# Altium PCB 2309_AutomatisationPriseImageRTI.PcbDoc (part 1 of 2)
Units mil, origin at the board's own origin, x right, y up, seen from the top; angles counter-clockwise.
Board outline 6062.99 x 3543.31 mil, 2 copper layers (Top Layer, Bottom Layer), stack 62.441 mil thick; 143 components, 115 nets, 461 pads, 570 vias.
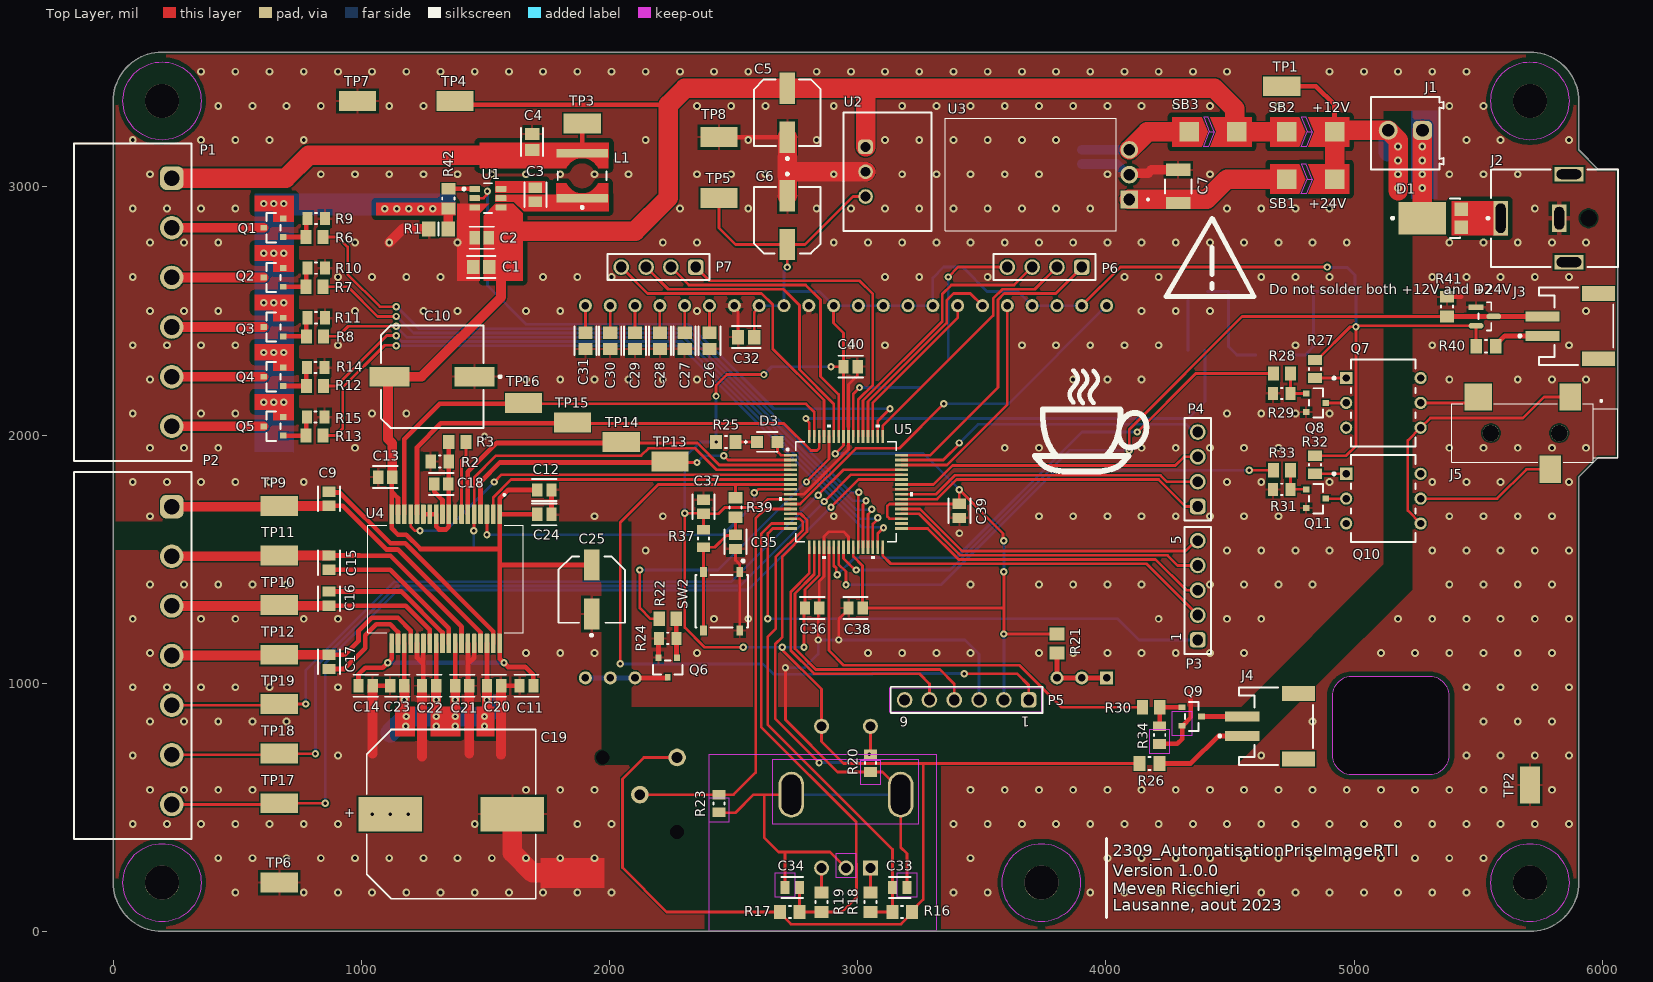
[diagram p0: Top Layer view]
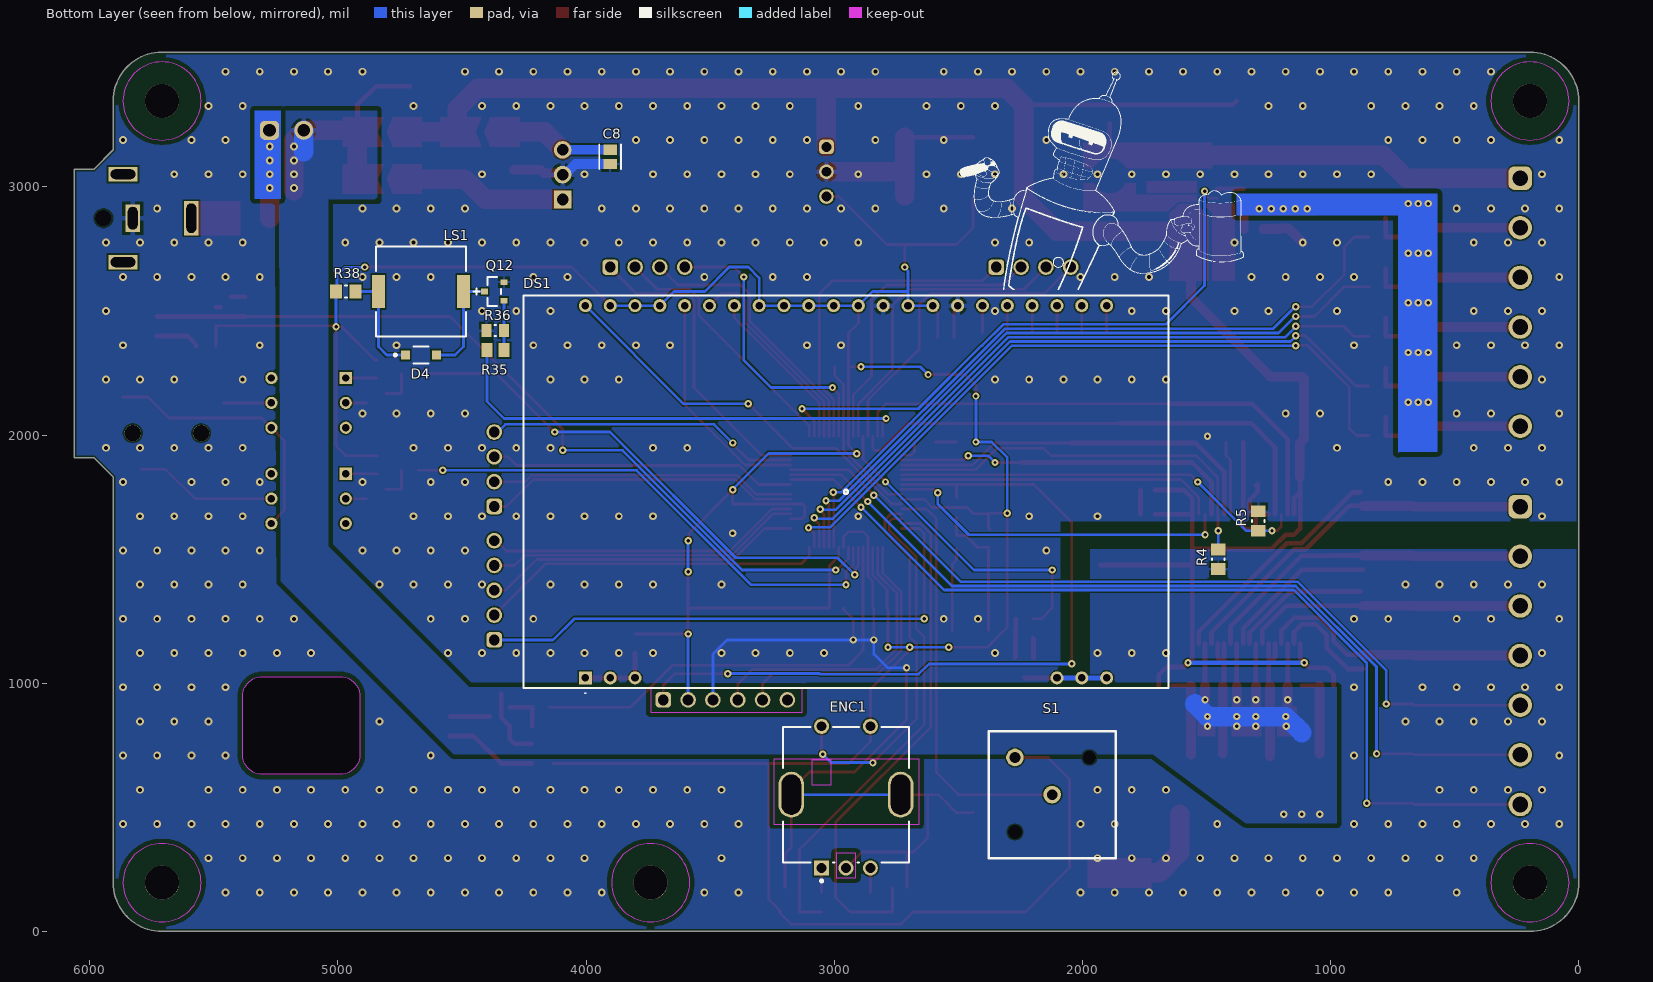
[diagram p1: Bottom Layer view, seen from below]
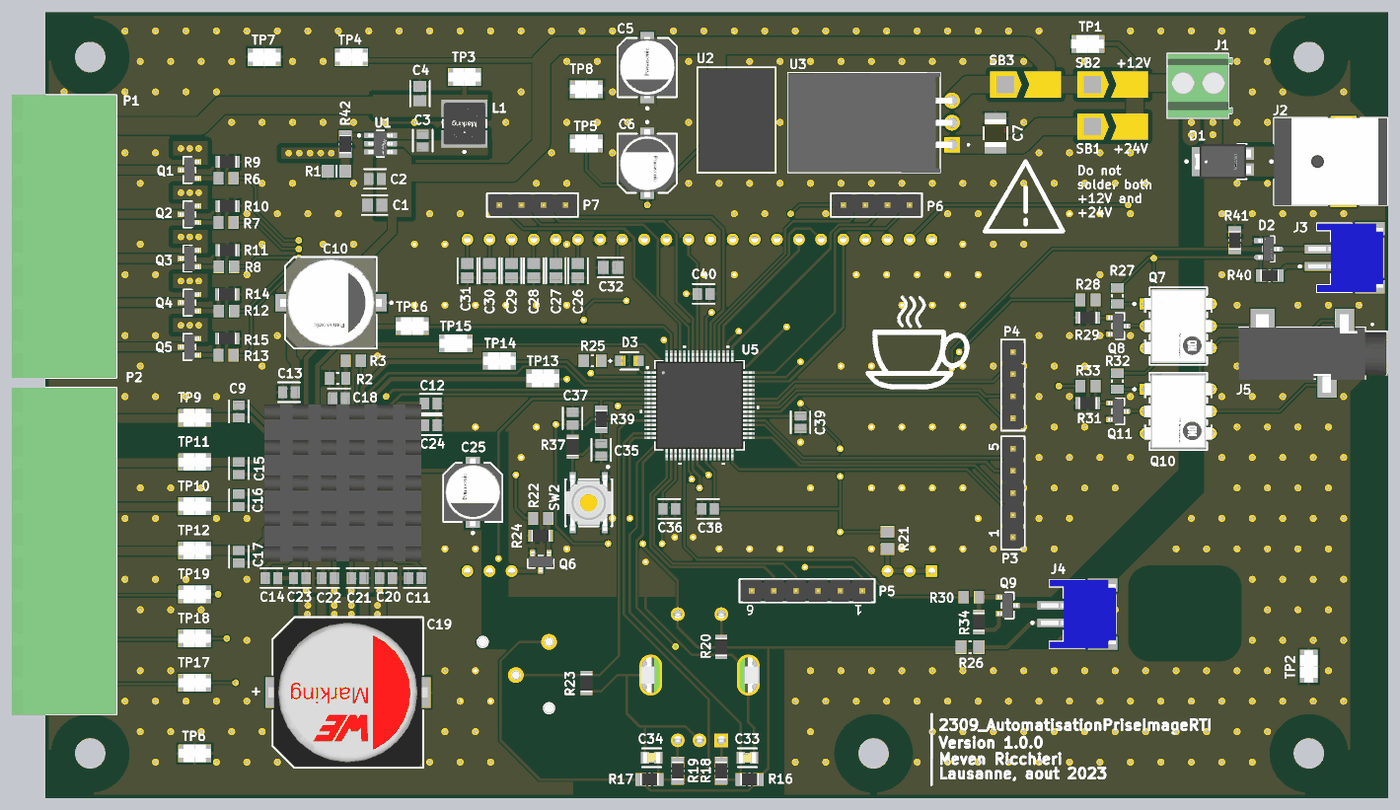
[diagram p3: 3D render of the assembled board from above, using the file's embedded part models]
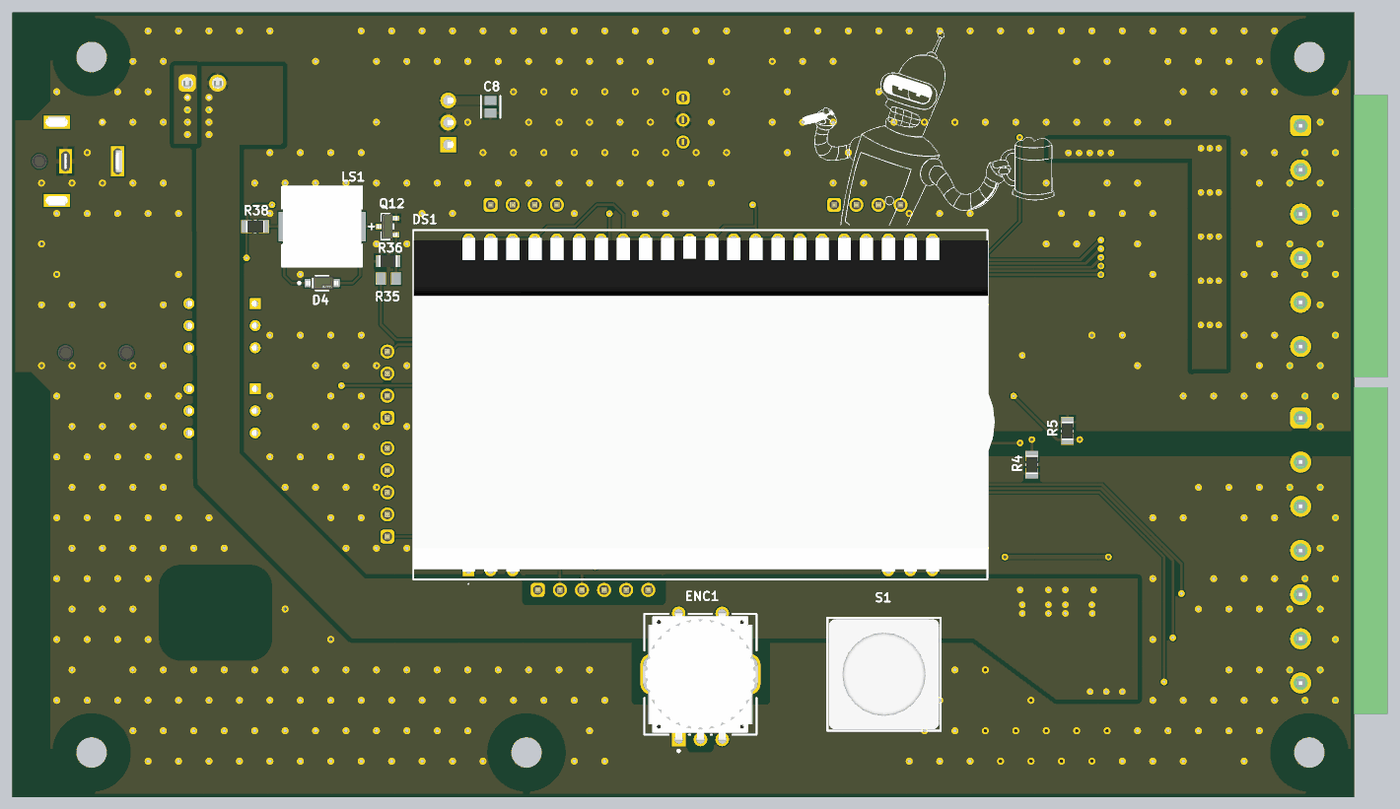
[diagram p4: 3D render of the assembled board from below, using the file's embedded part models]

## Layer stack, top to bottom
Top Solder: solder mask 0.4, Solder Resist, Dk 3.5
Top Layer: signal copper 0.7087
Dielectric1: core 61.0236, FR-4, Dk 4.8
Bottom Layer: signal copper 0.7087
Bottom Solder: solder mask 0.4, Solder Resist, Dk 3.5

## Board outline
196.85,0 cw(c196.85,196.85) 0,196.85 0,3346.46 cw(c196.85,3346.46) 196.85,3543.31 5708.66,3543.31 cw(c5708.66,3346.46) 5905.51,3346.46 5905.51,3149.61 5984.25,3070.87 6062.99,3070.87 6062.99,2992.13 6062.99,1929.13 6062.99,1909.45 5984.25,1909.45 5905.51,1830.71 5905.51,1811.02 5905.51,1771.65 5905.51,196.85 cw(c5708.66,196.85) 5708.66,0
cut-out: 4911.42,711.61 ccw(c4990.16,711.61) 4990.16,632.87 5305.12,632.87 ccw(c5305.12,711.61) 5383.86,711.61 5383.86,947.83 ccw(c5305.12,947.83) 5305.12,1026.57 4990.16,1026.57 ccw(c4990.16,947.83) 4911.42,947.83

## Design rules (kind name [scope] priority, off if disabled: settings)
BoardOutlineClearance [All] p1: gap=9.84 ignorepadtopadclearanceinfootprint=FALSE except(0: Arc-SplitContinuation Track-SplitContinuation SMDPad-SplitContinuation THPad-SplitContinuation Via-SplitContinuation Fill-SplitContinuation Poly-SplitContinuation Region-SplitContinuation Text-SplitContinuation)
Clearance Clearance-xPP-xTP-xTT [All] p1: gap=5.94 ignorepadtopadclearanceinfootprint=FALSE except(19.68: Poly-Poly Poly-Region)
ComponentClearance [All] p1: gap=9.84 collisioncheckmode=3 verticalgap=9.84 showdistances=FALSE
DiffPairsRouting [All] p1: maxlimit=9.84 minlimit=9.84 mostfreqgap=9.84 toplayer_minwidth=15 toplayer_maxwidth=15 toplayer_prefwidth=15 bottomlayer_minwidth=15 bottomlayer_maxwidth=15 bottomlayer_prefwidth=15 maxuncoupledlength=492.13
Height [All] p1: minheight=0 maxheight=984.25 prefheight=492.13
HoleSize HoleSize-PTH [IsVia] p1: absolutevalues=TRUE maxlimit=393.7 minlimit=9.84 maxpercent=80.000 minpercent=20.000
HoleToHoleClearance [All] p1: gap=13.78 allowstackedmicrovias=TRUE
MinimumAnnularRing "Minimum IAR  >0.45mm" [((ObjectKind = 'Pad') OR (ObjectKind = 'Via')) And (Layer = 'MultiLayer') And (HoleDiameter > AsMM(0.45))] p1: minimumring=6.89 // minimum inner annular ring for pads > 0.45mm finished hole size
MinimumAnnularRing "Minimum IAR <=0.45mm" [((ObjectKind = 'Pad') OR (ObjectKind = 'Via')) And (Layer = 'MultiLayer') And (HoleDiameter <= AsMM(0.45))] p2: minimumring=6.89 // minimum inner annular ring for pads <= 0.45mm finished hole size
MinimumSolderMaskSliver [All] p1: minsoldermaskwidth=3.15
PasteMaskExpansion [All] p1: expansion=-0.98
PlaneClearance PlaneClearance-IPI [All] p1: clearance=9.84
PlaneConnect [InNetClass('PowerLine')] p1: pad.planeconnectstyle=Relief pad.reliefexpansion=7.87 pad.reliefentries=4 pad.reliefconductorwidth=19.68 pad.reliefairgap=7.87 via.planeconnectstyle=Relief via.reliefexpansion=6.89 via.reliefentries=4 via.reliefconductorwidth=7.87 via.reliefairgap=7.87
PolygonConnect PolygonConnect-PowerLine [InNetClass('PowerLine')] p1: thpad.connectstyle=Relief thpad.reliefconductorwidth=19.68 thpad.reliefentries=4 thpad.polygonreliefangle="90 Angle" thpad.airgapwidth=11.81 smdpad.connectstyle=Relief smdpad.reliefconductorwidth=10 smdpad.reliefentries=4 smdpad.polygonreliefangle="90 Angle" smdpad.airgapwidth=10 via.connectstyle=Direct via.reliefconductorwidth=10 via.reliefentries=4 via.polygonreliefangle="90 Angle" via.airgapwidth=10
PolygonConnect PolygonConnect-xTW [All] p2: connectstyle=Relief reliefconductorwidth=7.87 reliefentries=4 polygonreliefangle="90 Angle" airgapwidth=7.87
RoutingCorners [All] p1: cornerstyle=45-Degree minsetback=98.43 maxsetback=98.43
RoutingVias RoutingViasES [All] p1: holewidth=13.78 width=29.53 viastyle="Through Hole" minholewidth=9.84 minwidth=24.02 maxholewidth=29.53 maxwidth=39.37 // finishet hole size <= 0.45mm
SilkToSilkClearance [All] p1: silktosilkclearance=7.87
SilkToSolderMaskClearance SilkscreenOverComponentPads [IsPad] p1: minsilkscreentomaskgap=7.87 clearancetoexposedcopper=TRUE
SolderMaskExpansion [All] p1: expansion=0 istentingtop=FALSE
UnRoutedNet [All] p1: checkbadconnections=TRUE
Width PowerLine [InNetClass('PowerLine')] p1: maxlimit=78.74 minlimit=7.87 preferedwidth=78.74
Width Width-xTW [All] p2: maxlimit=59.06 minlimit=5.91 preferedwidth=18.9
17 further rules are at their usual default settings.

## Classes and differential pairs
net class PowerLine: +12V +24V GND LED1- LED2- LED3- LED4- LED5- LED+ LED- NetC3_2 NetC8_1 NetC9_1 NetC15_1 NetC16_1 NetC17_1 NetD1_1 NetD1_2 PVDD
component class SchemaC-mcu: C35 C36 C37 C38 C39 C40 P3 P4 P5 P6 P7 R37 R39 SW2 U5
component class SchemaB-interace: C26 C27 C28 C29 C30 C31 C32 C33 C34 D2 D3 D4 DS1 ENC1 J3 J4 J5 LS1 Q6 Q7 Q8 Q9 Q10 Q11 Q12 R16 R17 R18 R19 R20 R21 R22 R23 R24 R25 R26 R27 R28 R29 R30 R31 R32 R33 R34 R35 R36 R38 R40 R41 S1
component class SchemaA-puissance: C1 C2 C3 C4 C5 C6 C7 C8 C9 C10 C11 C12 C13 C14 C15 C16 C17 C18 C19 C20 C21 C22 C23 C24 C25 D1 J1 J2 L1 P1 P2 Q1 Q2 Q3 Q4 Q5 R1 R2 R3 R4 R5 R6 R7 R8 R9 R10 R11 R12 R13 R14 R15 R42 SB1 SB2 SB3 TP1 TP2 TP3 TP4 TP5 TP6 TP7 TP8 TP9 TP10 TP11 TP12 TP13 TP14 TP15 TP16 TP17 TP18 TP19 U1 U2 U3 U4

## Components (designator, comment, footprint, x,y, rotation, side; value= is the part's Value field where it differs from the comment)
C1 "CL21A106KOQNNNE" FP-CL21-IPC_B 1483.24,2677.17 r180 top
C2 "CL21B104KBCNNNC" FP-CL21-IPC_C 1485.27,2795.28 r180 top
C3 "CL21B104KBCNNNC" FP-CL21-IPC_C 1700.79,2968.5 r270 top
C4 "CL21A106KOQNNNE" FP-CL21-IPC_B 1688.28,3181.09 r90 top
C5 "EEE-1VA101XP" FP-SD8-MFG 2716.54,3299.21 r90 top
C6 "EEE-FK0J221P" FP-FKD-MFG 2716.54,2866.14 r270 top
C7 "GMK325BJ226MM-P" FP-1210-L_3_2_0_3-W_2_5_0-MFG 4291.34,3001.97 r90 top
C8 "CL21A226MAYNNNE" FP-CL21-IPC_C 3902.76,3121.03 r270 bottom value=22uF
C9 "CL21B104KBCNNNC" FP-CL21-IPC_C 869.09,1743.53 r90 top
C10 "EEE-1VA331P" FP-SG-MFG 1285.43,2235.43 r180 top
C11 "CL21B105KBFNNNG" FP-CL21-IPC_C 1665.35,990.16 r180 top
C12 "CL21B105KBFNNNG" FP-CL21-IPC_C 1737.24,1779.15 r0 top
C13 "CL21B105KBFNNNG" FP-CL21-IPC_C 1095.99,1830.71 r180 top
C14 "CL21B105KBFNNNG" FP-CL21-IPC_C 1016.76,990.16 r0 top
C15 "CL21B104KBCNNNC" FP-CL21-IPC_C 869.09,1486.39 r270 top
C16 "CL21B104KBCNNNC" FP-CL21-IPC_C 869.09,1341.51 r90 top
C17 "CL21B104KBCNNNC" FP-CL21-IPC_C 869.09,1086.39 r270 top
C18 "CL21B104KBCNNNC" FP-CL21-IPC_C 1321.82,1803.15 r0 top
C19 "865080663020" WCAP-ASLI_D16H17 1362.14,472.44 r180 top
C20 "CL21B104KBCNNNC" FP-CL21-IPC_C 1534.48,990.16 r0 top
C21 "CL21B104KBCNNNC" FP-CL21-IPC_C 1406.53,990.16 r0 top
C22 "CL21B104KBCNNNC" FP-CL21-IPC_C 1272.61,990.16 r180 top
C23 "CL21B104KBCNNNC" FP-CL21-IPC_C 1144.65,990.16 r180 top
C24 "CL21B105KBFNNNG" FP-CL21-IPC_C 1737.24,1681.1 r0 top
C25 "EEEFP1V470AP" FP-FPD-MFG 1927.57,1377.89 r90 top
C26 "CL21F105ZAFNNNF" FP-CL21-IPC_B 2402.76,2379.97 r270 top
C27 "CL21F105ZAFNNNF" FP-CL21-IPC_B 2302.76,2379.97 r270 top
C28 "CL21F105ZAFNNNF" FP-CL21-IPC_B 2202.76,2379.97 r270 top
C29 "CL21F105ZAFNNNF" FP-CL21-IPC_B 2102.76,2379.97 r270 top
C30 "CL21F105ZAFNNNF" FP-CL21-IPC_B 2002.76,2379.97 r270 top
C31 "CL21F105ZAFNNNF" FP-CL21-IPC_B 1902.76,2379.97 r270 top
C32 "CL21F105ZAFNNNF" FP-CL21-IPC_B 2550.17,2394.6 r180 top
C33 "C0805C103J5RAC7210" FP-C0805C-DN-MFG 3169.29,177.17 r0 top value=0.01uF
C34 "C0805C103J5RAC7210" FP-C0805C-DN-MFG 2736.22,177.17 r180 top value=0.01uF
C35 "CL21B104KBCNNNC" FP-CL21-IPC_C 2507.87,1569.85 r270 top
C36 "CL21B104KBCNNNC" FP-CL21-IPC_C 2815.91,1303.15 r0 top
C37 "CL21B104KBCNNNC" FP-CL21-IPC_C 2378.94,1711.63 r90 top
C38 "CL21B104KBCNNNC" FP-CL21-IPC_C 2991.11,1303.15 r180 top
C39 "CL21B104KBCNNNC" FP-CL21-IPC_C 3409.45,1694.73 r270 top
C40 "CL21B104KBCNNNC" FP-CL21-IPC_C 2971.49,2275.59 r0 top
D1 "PDS1040L-13" FP-PowerDI5-MFG 5319.69,2874.02 r180 top
D2 "BAT54SLT1G" FP-318-08-IPC_B 5527.16,2478.35 r0 top
D3 "LH R974-LP-1" FP-LH_R974-MFG 2635.47,1972.44 r0 top
D4 "1N4148W-13-F" FP-SOD123-MFG 4665.35,2322.83 r180 bottom value=2pF
DS1 "EA DOGM204W-A" "EA DOGM204" 2952.76,1771.65 r180 bottom locked
ENC1 "PEC12R-4220F-S0024" FP-PEC12R-4120F-S0012-MFG 2952.76,551.18 r180 bottom locked
J1 "691214110002" 691214110002 5206.69,3216.54 r180 top
J2 "PJ-063AH" CUI-PJ-063AH_V 5826.77,2874.02 r0 top
J3 "S2B-PH-SM4-TB(LF)(SN)" "JST- S2B-PH-SM4-TB(LF)(SN)-2_V" 5894.68,2438.98 r90 top
J4 "S2B-PH-SM4-TB(LF)(SN)" "JST- S2B-PH-SM4-TB(LF)(SN)-2_V" 4685.04,826.77 r90 top
J5 "SJ-3523-SMT-TR" CUI_SJ-3523-SMT 5826.77,2007.87 r180 top
L1 "7440430012" WE-TPC_4828 1889.76,3045.36 r180 top
LS1 "PKMCS0909E4000-R1" FP-PKMCS-MFG 4665.35,2578.74 r180 bottom
P1 "691313510006" 691313510006 78.74,2535.43 r270 top
P2 "691313510007" 691313510007 78.74,1111.81 r270 top
P3 "61300511121" 61300511121 4370.08,1374.8 r90 top
P4 "61300411121" 61300411121 4370.08,1862.6 r90 top
P5 "61300611121" 61300611121 3438.98,933.07 r180 top
P6 "61300411121" 61300411121 3752.76,2677.17 r180 top
P7 "61300411121" 61300411121 2197.24,2677.17 r180 top
Q1 "PMV20ENR" FP-SOT23-MFG 645.67,2835.43 r180 top
Q2 "PMV20ENR" FP-SOT23-MFG 645.67,2635.43 r180 top
Q3 "PMV20ENR" FP-SOT23-MFG 645.67,2435.43 r180 top
Q4 "PMV20ENR" FP-SOT23-MFG 645.67,2235.43 r180 top
Q5 "PMV20ENR" FP-SOT23-MFG 645.67,2035.43 r180 top
Q6 "PMV20ENR" FP-SOT23-MFG 2234.65,1063.81 r270 top
Q7 "4N25M" FP-646BX-MFG 5118.11,2129.92 r0 top
Q8 "PMV20ENR" FP-SOT23-MFG 4846.46,2129.92 r0 top
Q9 "PMV20ENR" FP-SOT23-MFG 4346.46,866.14 r0 top
Q10 "4N25M" FP-646BX-MFG 5118.11,1744.09 r0 top
Q11 "PMV20ENR" FP-SOT23-MFG 4846.46,1744.09 r0 top
Q12 "PMV20ENR" FP-SOT23-MFG 4370.08,2578.74 r0 bottom
R1 "ERJ-L06UF66MV" 6-0805_M 1311.02,2830.71 r0 top value=66mR
R2 "RK73B2ATTD1R0J" RESC2013X60X30NL20T20 1315.94,1893.7 r0 top value=1R
R3 "ERJ6ENF5602V" RESC2013X70X40NL20T20 1386.81,1972.44 r180 top value=56k
R4 "RC0805JR-0710KL" RESC2013X60X35ML10T20 1452.82,1500 r90 bottom
R5 "RC0805JR-0710KL" RESC2013X60X35ML10T20 1291.34,1653.54 r270 bottom
R6 "ERJ6ENF2200V" RESC2013X70X40NL20T20 811.02,2798.03 r180 top value=220R
R7 "ERJ6ENF2200V" RESC2013X70X40NL20T20 811.02,2598.03 r180 top value=220R
R8 "ERJ6ENF2200V" RESC2013X70X40NL20T20 812.99,2398.03 r180 top value=220R
R9 "RC0805FR-0747KL" RESC2013X60X35NL10T20 817.91,2872.83 r180 top value=47k
R10 "RC0805FR-0747KL" RESC2013X60X35NL10T20 817.91,2672.83 r180 top value=47k
R11 "RC0805FR-0747KL" RESC2013X60X35NL10T20 817.91,2472.83 r180 top value=47k
R12 "ERJ6ENF2200V" RESC2013X70X40NL20T20 812.99,2198.03 r180 top value=220R
R13 "ERJ6ENF2200V" RESC2013X70X40NL20T20 811.02,1998.03 r180 top value=220R
R14 "RC0805FR-0747KL" RESC2013X60X35NL10T20 815.94,2272.83 r180 top value=47k
R15 "RC0805FR-0747KL" RESC2013X60X35NL10T20 815.94,2072.83 r180 top value=47k
R16 "RC0805JR-0710KL" RESC2013X60X35ML10T20 3179.13,78.74 r180 top
R17 "RC0805JR-0710KL" RESC2013X60X35ML10T20 2726.38,78.74 r0 top
R18 "RC0805JR-0710KL" RESC2013X60X35ML10T20 3051.18,118.11 r90 top
R19 "RC0805JR-0710KL" RESC2013X60X35ML10T20 2854.33,118.11 r90 top
R20 "RC0805FR-0747KL" RESC2013X60X35NL10T20 3051.18,678.23 r90 top value=47k
R21 "ERJ6ENF18R0V" RESC2013X70X40ML20T20 3802.76,1160.43 r270 top value=18R
R22 "ERJ6ENF2200V" RESC2013X70X40NL20T20 2234.65,1259.84 r0 top value=220R
R23 "RC0805FR-0747KL" RESC2013X60X35NL10T20 2440.94,515.75 r90 top value=47k
R24 "RC0805FR-0747KL" RESC2013X60X35NL10T20 2234.65,1181.1 r0 top value=47k
R25 "RC0805JR-0775RL" RESC2013X60X35ML10T20 2468.5,1972.44 r180 top value=150R
R26 "RK73B2ATTD200J" RESC2013X60X30ML20T20 4176.18,677.17 r180 top value=20R
R27 "CRCW0805210RFKEA" RESC2013X50X30NL20T20 4842.52,2266.34 r270 top value=220R
R28 "ERJ6ENF2200V" RESC2013X70X40NL20T20 4709.65,2248.03 r0 top value=220R
R29 "RC0805FR-0747KL" RESC2013X60X35NL10T20 4708.66,2167.32 r0 top value=47k
R30 "ERJ6ENF2200V" RESC2013X70X40NL20T20 4182.09,903.54 r0 top value=220R
R31 "RC0805FR-0747KL" RESC2013X60X35NL10T20 4708.66,1781.5 r0 top value=47k
R32 "CRCW0805210RFKEA" RESC2013X50X30NL20T20 4842.52,1880.51 r270 top value=220R
R33 "ERJ6ENF2200V" RESC2013X70X40NL20T20 4709.65,1858.27 r0 top value=220R
R34 "RC0805FR-0747KL" RESC2013X60X35NL10T20 4216.54,791.34 r90 top value=47k
R35 "ERJ6ENF2200V" RESC2013X70X40NL20T20 4365.16,2342.52 r180 bottom value=220R
R36 "RC0805FR-0747KL" RESC2013X60X35NL10T20 4366.14,2421.26 r180 bottom value=47k
R37 "RC0805FR-0747KL" RESC2013X60X35NL10T20 2378.94,1583.71 r90 top value=47k
R38 "RC0805JR-070RL" RESC2013X60X35ML10T20 4968.11,2578.74 r0 bottom
R39 "RC0805FR-071KL" RESC2013X60X35ML10T20 2507.87,1708.66 r90 top
R40 "RC0805FR-071KL" RESC2013X60X35ML10T20 5531.5,2358.27 r0 top
R41 "RC0805JR-0710KL" RESC2013X60X35ML10T20 5374.02,2517.72 r90 top
R42 "RC0805JR-070RL" RESC2013X60X35ML10T20 1350.39,2952.84 r270 top
S1 "1241.1082.71" "Tact-sw 1241.1082" 2122.05,551.18 r180 bottom locked
SB1 "Solder bridge 3mm close" "Solder bridge" 4921.26,3031.5 r180 top
SB2 "Solder bridge 3mm open" "Solder bridge" 4921.26,3222.05 r180 top
SB3 "Solder bridge 3mm close" "Solder bridge" 4527.56,3222.05 r180 top
SW2 "PTS526SK15SMTR2LFS" FP-PTS526SK15SMTR2LFS-MFG 2451.77,1330.71 r270 top
TP1 "5019" KSTN-5019_V 4708.66,3405.51 r0 top
TP2 "5019" KSTN-5019_V 5708.66,590.55 r90 top
TP3 "5019" KSTN-5019_V 1889.76,3255.87 r0 top
TP4 "5019" KSTN-5019_V 1377.95,3346.46 r0 top
TP5 "5019" KSTN-5019_V 2440.94,2955.87 r0 top
TP6 "5019" KSTN-5019_V 669.29,196.85 r0 top
TP7 "5019" KSTN-5019_V 984.25,3346.46 r0 top
TP8 "5019" KSTN-5019_V 2440.94,3200.79 r0 top
TP9 "5019" KSTN-5019_V 669.29,1714.96 r0 top
TP10 "5019" KSTN-5019_V 669.29,1314.96 r180 top
TP11 "5019" KSTN-5019_V 669.29,1514.96 r180 top
TP12 "5019" KSTN-5019_V 669.29,1114.96 r180 top
TP13 "5019" KSTN-5019_V 2244.09,1893.7 r180 top
TP14 "5019" KSTN-5019_V 2047.24,1972.44 r180 top
TP15 "5019" KSTN-5019_V 1850.39,2051.18 r180 top
TP16 "5019" KSTN-5019_V 1653.54,2129.92 r180 top
TP17 "5019" KSTN-5019_V 669.29,516.54 r180 top
TP18 "5019" KSTN-5019_V 669.29,716.54 r180 top
TP19 "5019" KSTN-5019_V 669.29,916.54 r180 top
U1 "TPS92200D1DDCR" FP-DDC0006A-MFG 1509.84,2954.81 r0 top
U2 "173950378" WPME-FDSM_SIP-3_L11.6W8.5H10.5 3120.08,3061.42 r270 top
U3 "P7812-2000R-S" P7812-2000R-S 3696.85,3049.61 r180 top
U4 "DRV8432DKD" "SOP65P1420X360-36N - duplicate" 1339.57,1420.87 r270 top locked
U5 "PIC32MK0512MCF064-I/PT" TQFP64_PT_MCH 2952.76,1771.65 r0 top locked
